# KiCad board HPM6P41_BB.kicad_pcb
title: HPM6P41_BB; date: 2025-06-18; rev: Rev3; company: Alipay
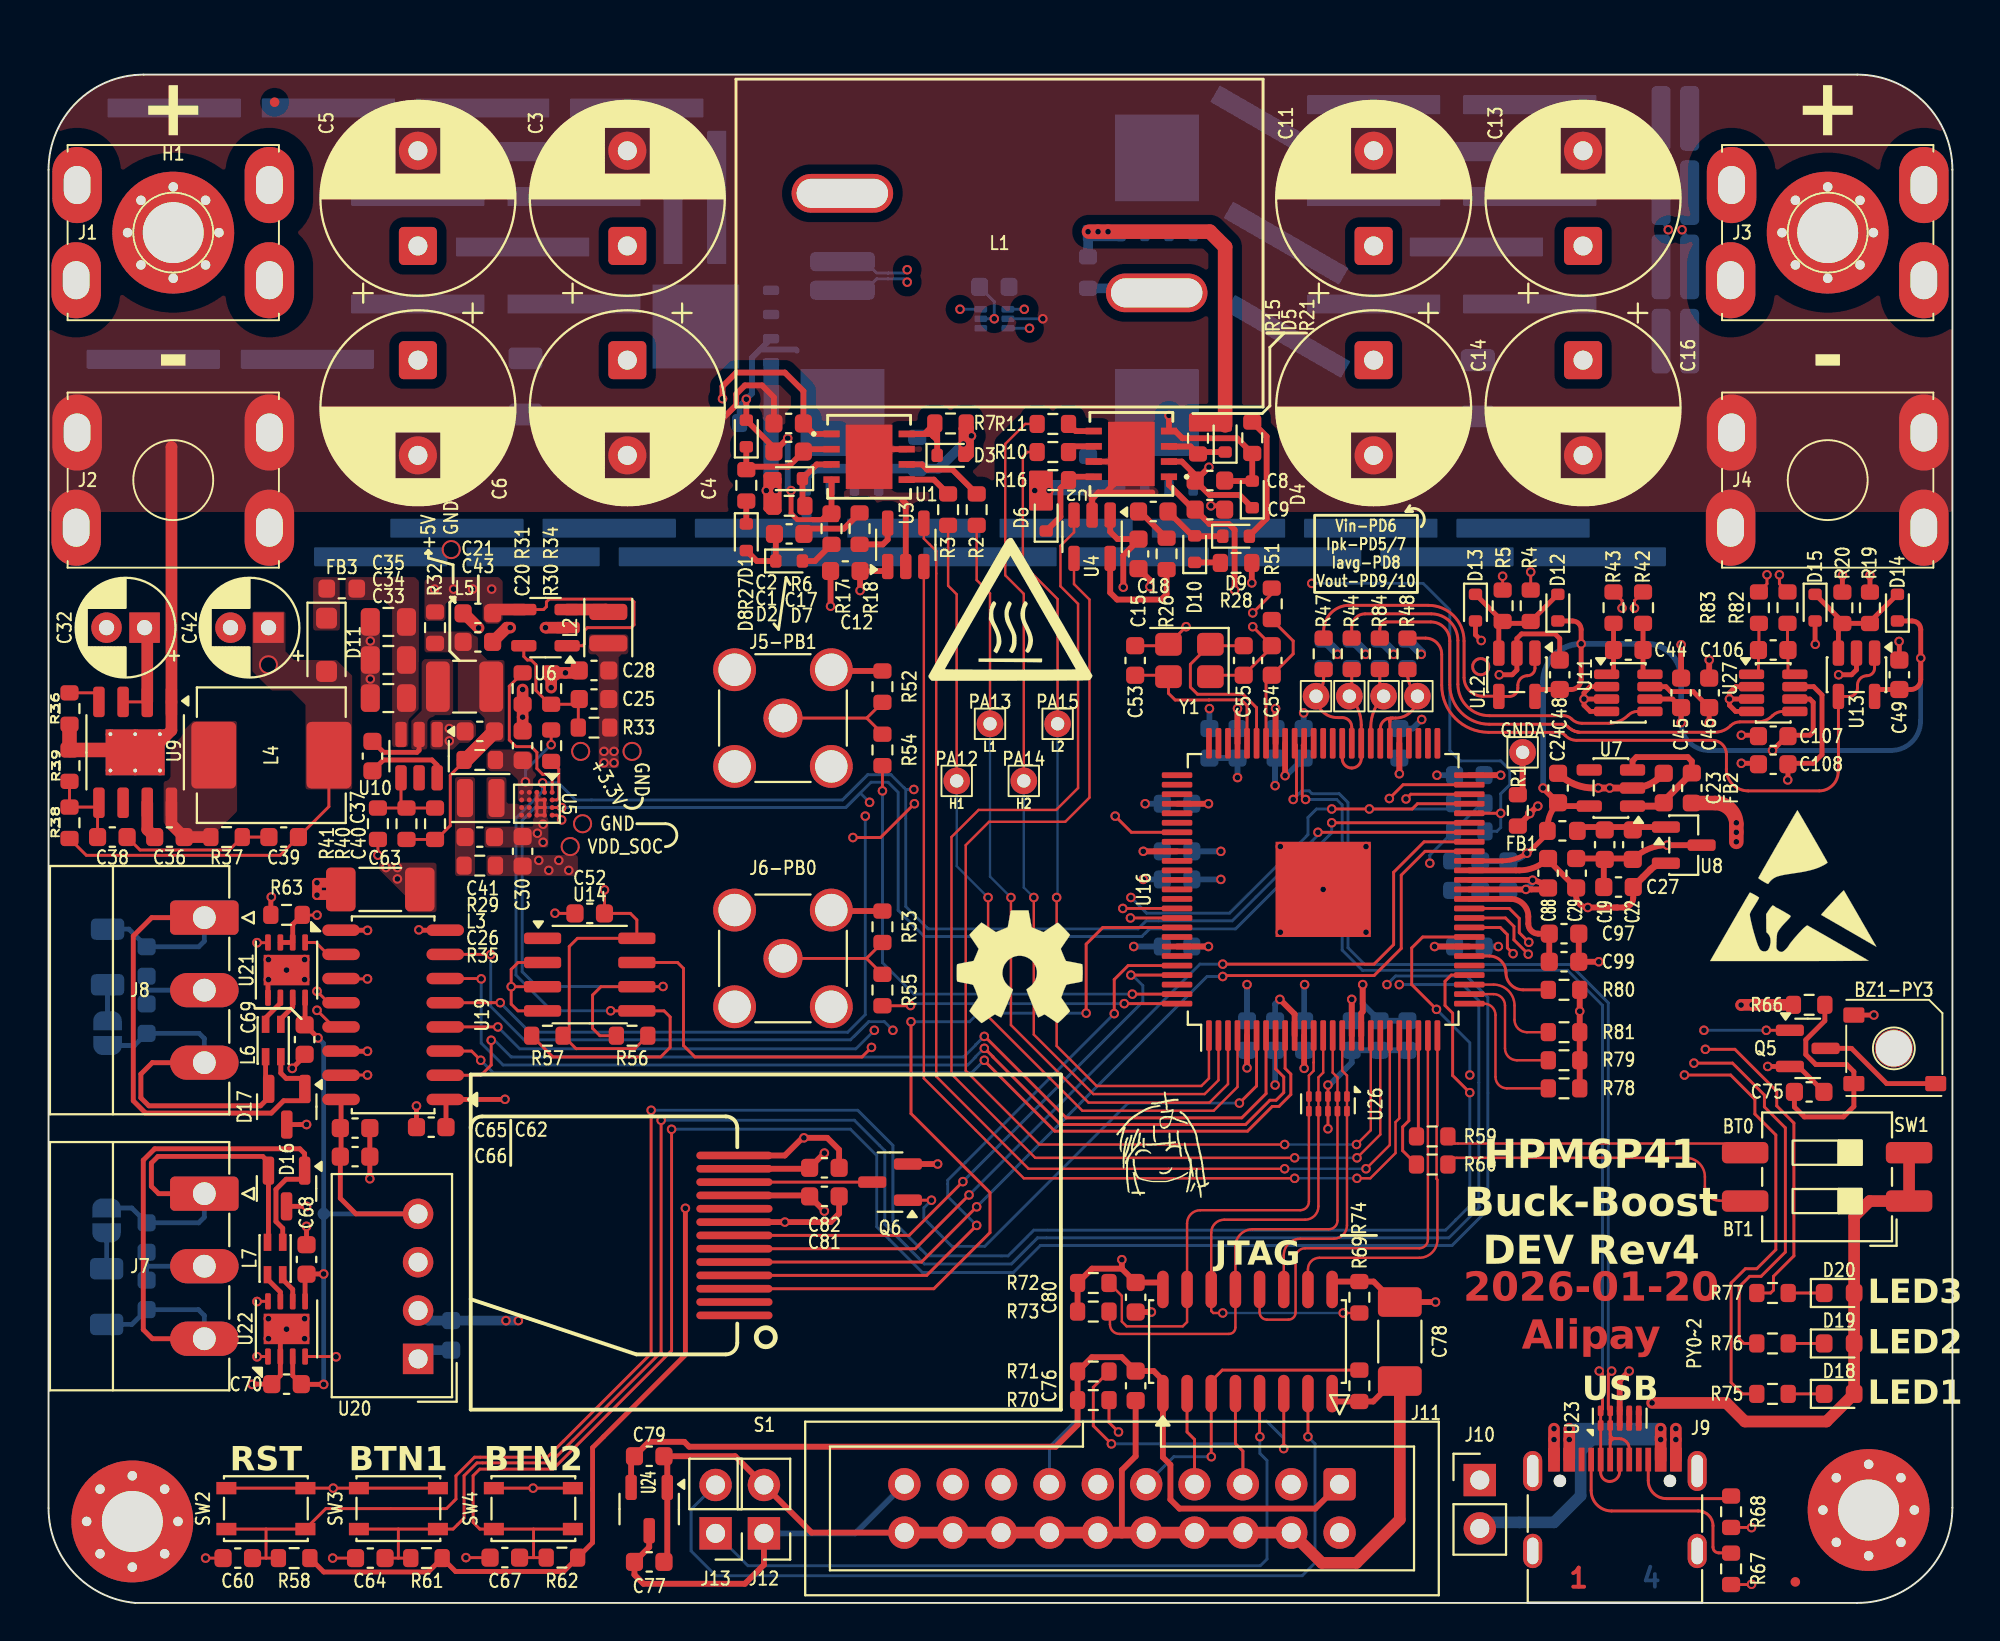
[diagram p0: board, top side]
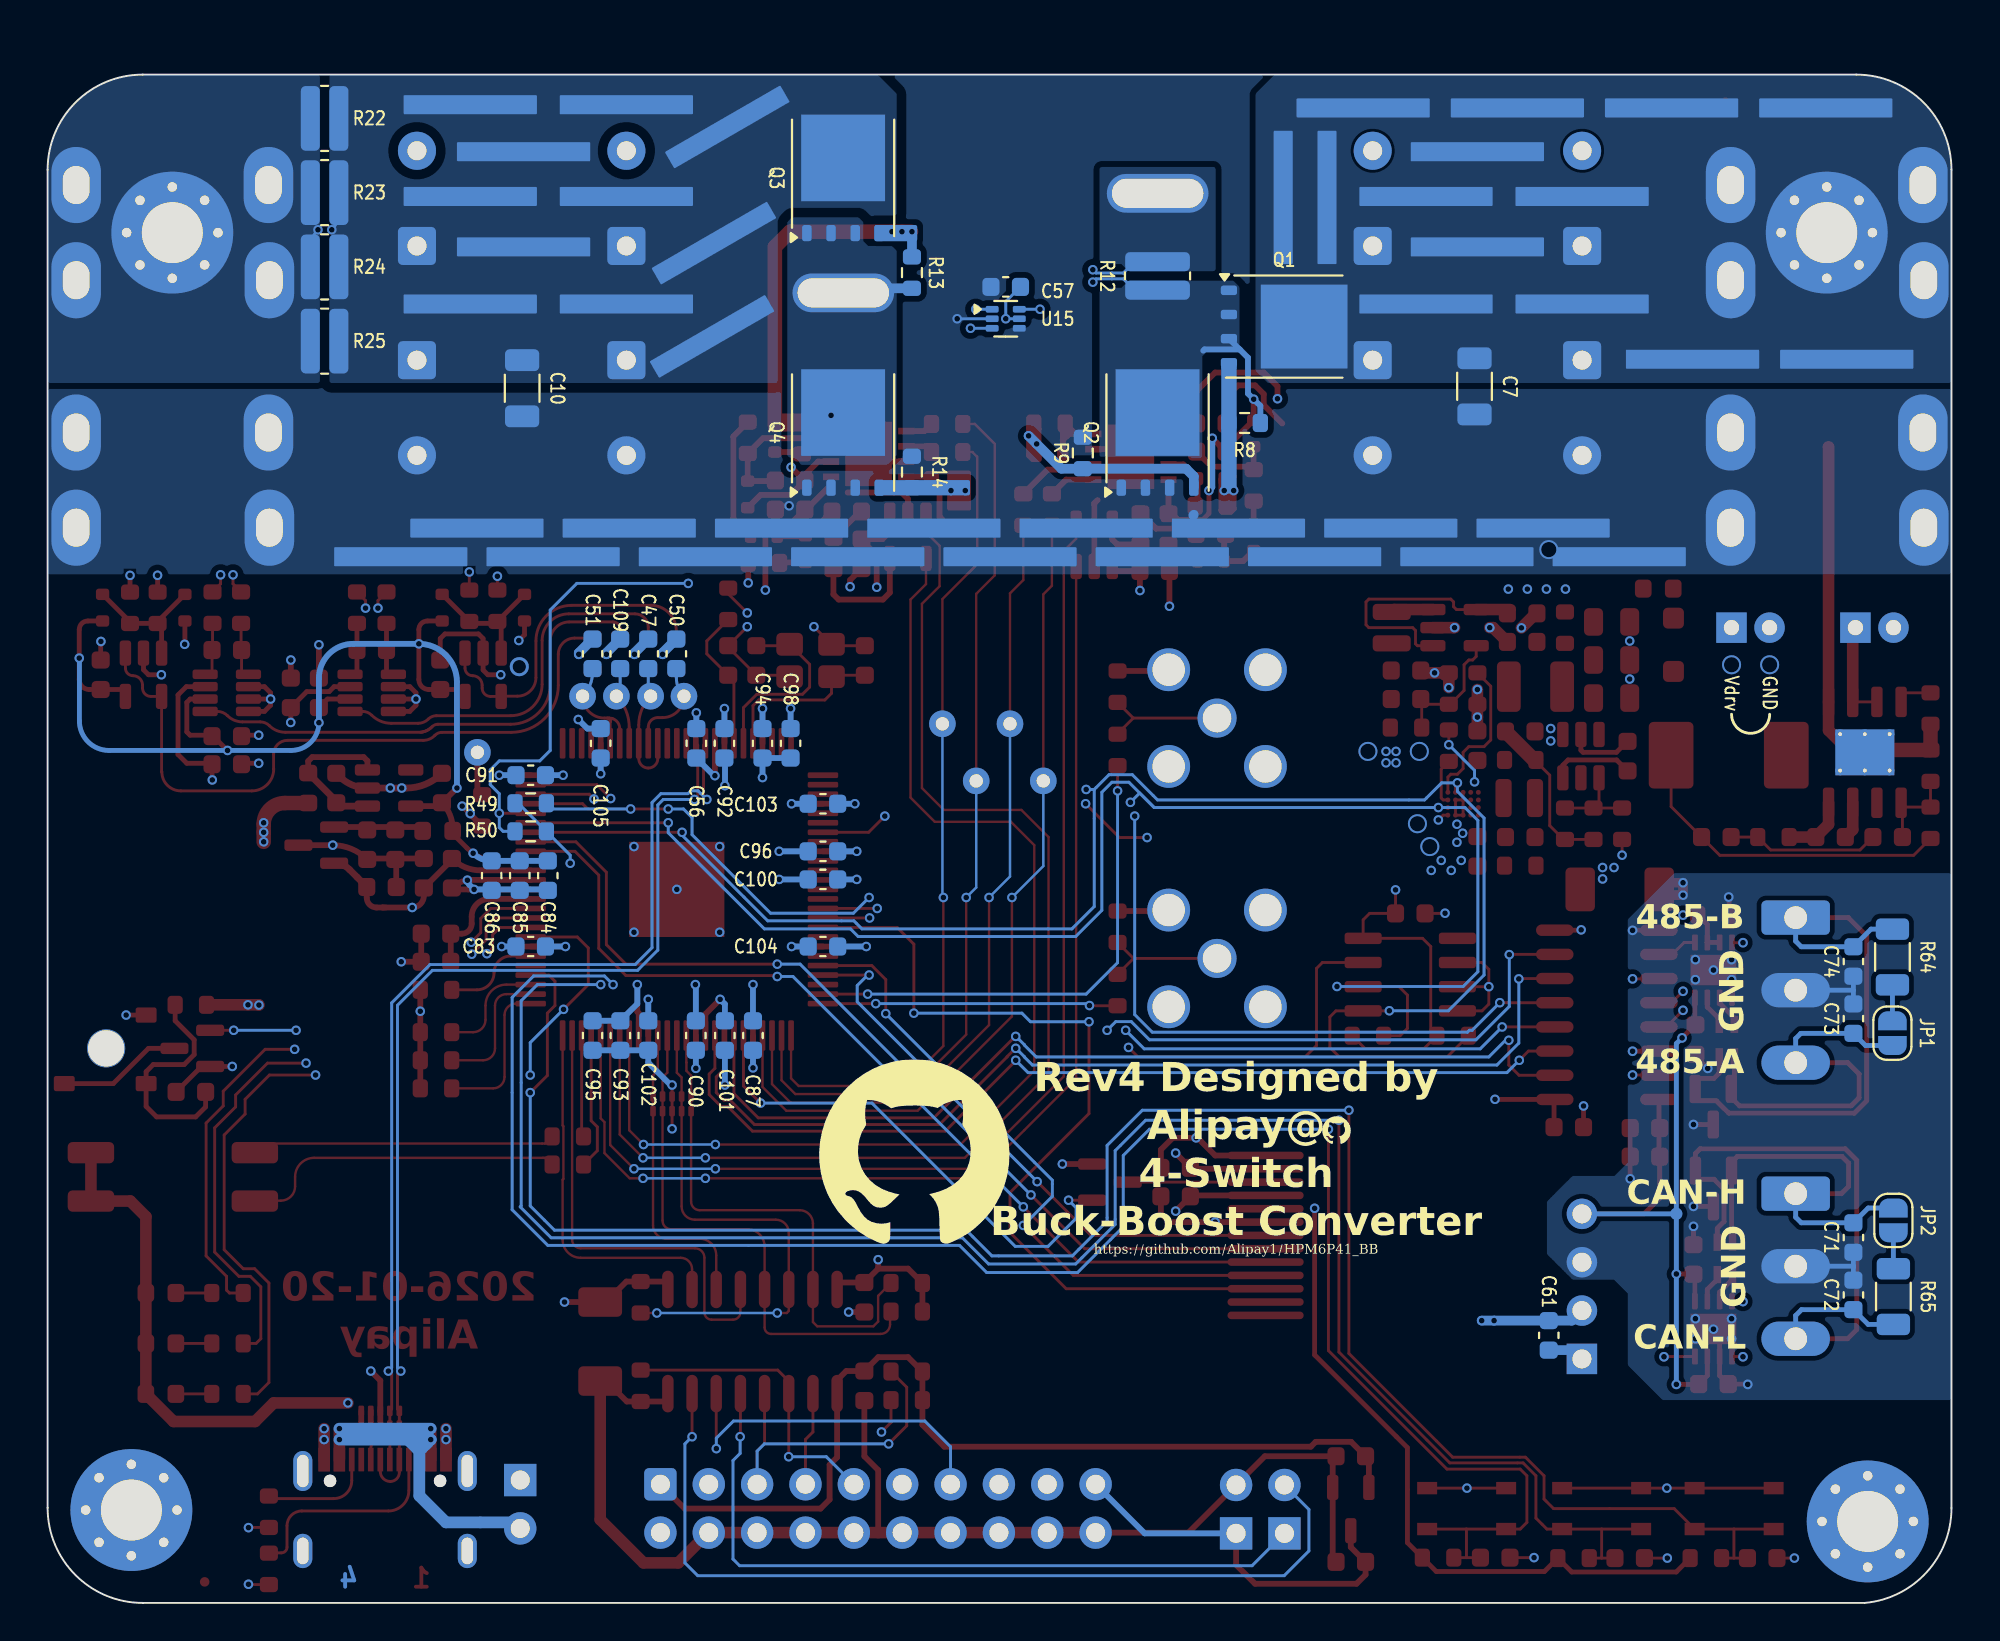
[diagram p1: board, bottom side, seen from below]

Outline 100 x 80.28 mm; copper layers: Top, In1.Cu, In2.Cu, Bottom. Coordinates in mm from the lower left corner of the outline.
Outline path: 0,75.28 arc(1.46,78.82) 5,80.28 95,80.28 arc(98.54,78.82) 100,75.28 100,5 arc(98.54,1.46) 95,0 4.55,0 arc(1.46,1.44) 0,4.98 0,75.28
Stack: Top 0.035mm / dielectric 0.1mm FR4 er 4.5 / In1.Cu 0.035mm / dielectric 1.24mm FR4 er 4.5 / In2.Cu 0.035mm / dielectric 0.1mm FR4 er 4.5 / Bottom 0.035mm

## Placement (name value [footprint] x y rotation side)
BZ1-PY3  Buzzer_DummyPIn3  [Buzzer_5020_MetalHole]  96.93 29.13 270 top
C1  100nF,50V  [C_0603_1608Metric]  38.88 60.48 180 top
C2  100nF,50V  [C_0603_1608Metric]  38.88 61.95 180 top
C3  100V 100uF  [CP_Radial_D10.0mm_P5.00mm]  30.4 71.28 90 top
C4  100V 100uF  [CP_Radial_D10.0mm_P5.00mm]  30.4 65.28 270 top
C5  100V 100uF  [CP_Radial_D10.0mm_P5.00mm]  19.4 71.28 90 top
C6  100V 100uF  [CP_Radial_D10.0mm_P5.00mm]  19.4 65.28 270 top
C7  10uF,50V  [C_1206_3216Metric]  25.05 63.91 270 bottom
C8  100nF,50V  [C_0603_1608Metric]  61 58.95 0 top
C9  100nF,50V  [C_0603_1608Metric]  61 57.43 0 top
C10  10uF,50V  [C_1206_3216Metric]  75.08 63.8 270 bottom
C11  100V 100uF  [CP_Radial_D10.0mm_P5.00mm]  69.6 71.28 90 top
C12  4.7uF,50V  [C_0603_1608Metric]  41.85 54.2 180 top
C13  100V 100uF  [CP_Radial_D10.0mm_P5.00mm]  80.6 71.28 90 top
C14  100V 100uF  [CP_Radial_D10.0mm_P5.00mm]  69.6 65.28 270 top
C15  4.7uF,50V  [C_0603_1608Metric]  57.25 55.11 270 top
C16  100V 100uF  [CP_Radial_D10.0mm_P5.00mm]  80.6 65.28 270 top
C17  100nF,50V  [C_0603_1608Metric]  38.9 56.16 0 top
C18  100nF,50V  [C_0603_1608Metric]  58.03 57.33 180 top
C19  22uF,10V  [C_0603_1608Metric]  81.74 39.83 270 top
C20  22uF,10V  [C_0603_1608Metric]  24.9 45.03 90 top
C21  22uF,10V  [C_0603_1608Metric]  22.55 51.98 180 top
C22  100nF,50V  [C_0603_1608Metric]  83.21 39.83 270 top
C23  1uF,10V  [C_0603_1608Metric]  84.84 42.81 90 top
C24  1uF,10V  [C_0603_1608Metric]  79.29 42.81 90 top
C25  22pF  [C_0603_1608Metric]  28.65 47.48 180 top
C26  22uF,10V  [C_0603_1608Metric]  22.65 40.23 0 top
C27  4.7uF,10V  [C_0603_1608Metric]  82.46 37.61 180 top
C28  22uF,10V  [C_0603_1608Metric]  28.65 48.98 180 top
C29  100nF,50V  [C_0603_1608Metric]  80.24 38.33 90 top
C30  22uF,10V  [C_0603_1608Metric]  24.9 39.48 90 top
C32  100V 2.2uF  [CP_Radial_D5.0mm_P2.00mm]  5.04 51.23 180 top
C33  10uF,25V  [C_0805_2012Metric]  17.85 47.53 180 top
C34  10uF,25V  [C_0805_2012Metric]  17.85 49.53 180 top
C35  10uF,25V  [C_0805_2012Metric]  17.85 51.53 180 top
C36  2.2nF 50V  [C_0603_1608Metric]  6.35 40.23 180 top
C37  100nF,50V  [C_0603_1608Metric]  17.01 44.48 90 top
C38  47pF,50V  [C_0603_1608Metric]  3.35 40.23 180 top
C39  1.2nF,50V  [C_0603_1608Metric]  12.35 40.23 180 top
C40  75pF  [R_0603_1608Metric]  20.3 40.93 90 top
C41  22uF,10V  [C_0603_1608Metric]  22.65 45.78 180 top
C42  16V 47uF ±20%  [CP_Radial_D5.0mm_P2.00mm]  11.56 51.23 180 top
C43  22uF,10V  [C_0603_1608Metric]  22.55 50.48 0 top
C44  47pF,50V  [C_0603_1608Metric]  82.97 50.06 180 top
C45  100nF,50V  [C_0603_1608Metric]  85.75 47.81 90 top
C46  100nF,50V  [C_0603_1608Metric]  87.22 47.81 90 top
C47  47pF,50V  [C_0603_1608Metric]  68.45 49.86 90 bottom
C48  100nF,50V  [C_0603_1608Metric]  79.38 48.75 90 top
C49  100nF,50V  [C_0603_1608Metric]  97.21 48.75 90 top
C50  47pF,50V  [C_0603_1608Metric]  66.97 49.86 90 bottom
C51  47pF,50V  [C_0603_1608Metric]  71.38 49.86 90 bottom
C52  100nF,50V  [C_0603_1608Metric]  28.43 36.22 0 top
C53  6pF  [C_0603_1608Metric]  57.08 49.5 90 top
C54  100nF,50V  [C_0603_1608Metric]  64.25 49.5 90 top
C55  6pF  [C_0603_1608Metric]  62.78 49.5 270 top
C56  100nF,50V  [C_0603_1608Metric]  65.93 45.16 90 bottom
C57  100nF,50V  [C_0603_1608Metric]  49.68 69.13 180 bottom
C60  100nF,50V  [C_0603_1608Metric]  9.94 2.36 0 top
C61  4.7uF,10V  [C_0603_1608Metric]  21.15 14.06 270 bottom
C62  100nF,50V  [C_0603_1608Metric]  20.1 24.99 0 top
C63  SCC1808X102K502TS  [C_1808_4520Metric]  17.43 37.48 0 top
C64  100nF,50V  [C_0603_1608Metric]  16.9 2.36 0 top
C65  100nF,50V  [C_0603_1608Metric]  16.1 24.94 180 top
C66  4.7uF,10V  [C_0603_1608Metric]  16.1 23.44 0 top
C67  100nF,50V  [C_0603_1608Metric]  23.97 2.38 0 top
C68  100nF,50V  [C_0603_1608Metric]  13.55 18.04 270 top
C69  100nF,50V  [C_0603_1608Metric]  13.45 29.59 90 top
C70  100nF,50V  [C_0603_1608Metric]  12.5 11.49 0 top
C71  47pF,50V  [C_0603_1608Metric]  5.15 19.19 90 bottom
C72  47pF,50V  [C_0603_1608Metric]  5.15 16.18 90 bottom
C73  47pF,50V  [C_0603_1608Metric]  5.15 30.69 270 bottom
C74  47pF,50V  [C_0603_1608Metric]  5.15 33.69 270 bottom
C75  1uF  [C_0603_1608Metric]  92.47 26.84 0 top
C76  100nF,50V  [C_0603_1608Metric]  57.1 11.41 90 top
C77  1uF,10V  [C_0603_1608Metric]  31.55 2.16 0 top
C78  SCC1808X102K502TS  [C_1808_4520Metric]  70.97 13.73 270 top
C79  1uF,10V  [C_0603_1608Metric]  31.55 7.7 0 top
C80  100nF,50V  [C_0603_1608Metric]  57.1 16.06 90 top
C81  100nF,50V  [C_0603_1608Metric]  40.75 21.36 0 top
C82  100nF,50V  [C_0603_1608Metric]  40.75 22.86 0 top
C83  100nF,50V  [C_0603_1608Metric]  74.62 34.48 0 bottom
C84  22uF,10V  [C_0603_1608Metric]  73.72 38.2 270 bottom
C85  4.7uF,10V  [C_0603_1608Metric]  75.2 38.2 270 bottom
C86  100nF,50V  [C_0603_1608Metric]  76.68 38.2 270 bottom
C87  100nF,10V  [C_0603_1608Metric]  62.95 29.81 90 bottom
C88  10nF,10V  [C_0603_1608Metric]  78.76 38.33 270 top
C90  100nF,10V  [C_0603_1608Metric]  65.95 29.81 90 bottom
C91  100nF,10V  [C_0603_1608Metric]  74.62 43.48 180 bottom
C92  100nF,10V  [C_0603_1608Metric]  64.45 45.16 270 bottom
C93  4.7uF,10V  [C_0603_1608Metric]  69.91 29.81 270 bottom
C94  100nF,10V  [C_0603_1608Metric]  62.45 45.16 270 bottom
C95  100nF,50V  [C_0603_1608Metric]  71.38 29.81 270 bottom
C96  100nF,10V  [C_0603_1608Metric]  59.28 39.48 0 bottom
C97  4.7uF,10V  [C_0603_1608Metric]  79.6 35.16 0 top
C98  22uF,10V  [C_0603_1608Metric]  60.97 45.16 270 bottom
C99  100nF,50V  [C_0603_1608Metric]  79.6 33.68 0 top
C100  22uF,10V  [C_0603_1608Metric]  59.28 38 0 bottom
C101  100nF,50V  [C_0603_1608Metric]  64.43 29.81 270 bottom
C102  100nF,50V  [C_0603_1608Metric]  68.45 29.81 270 bottom
C103  100nF,50V  [C_0603_1608Metric]  59.28 41.98 180 bottom
C104  100nF,50V  [C_0603_1608Metric]  59.28 34.48 180 bottom
C105  100nF,50V  [C_0603_1608Metric]  70.95 45.16 90 bottom
C106  47pF,50V  [C_0603_1608Metric]  90.59 50.06 180 top
C107  100nF,50V  [C_0603_1608Metric]  90.59 45.53 180 top
C108  100nF,50V  [C_0603_1608Metric]  90.59 44.06 180 top
C109  47pF,50V  [C_0603_1608Metric]  69.93 49.86 90 bottom
D1  LM5Z12VT1G  [D_SOD-523]  36.65 61.43 90 top
D2  1N4148WS  [D_SOD-523]  38.9 59.05 180 top
D3  1N4148WS  [D_SOD-523]  47.38 60.28 0 top
D4  LM5Z12VT1G  [D_SOD-523]  63.22 58.23 90 top
D5  1N4148WS  [D_SOD-523]  61.8 61.16 90 top
D6  1N4148WS  [D_SOD-523]  52.4 57.01 90 top
D7  1N4148WS  [D_SOD-523]  38.9 54.73 0 top
D8  1N4148WS  [D_SOD-523]  36.65 55.98 270 top
D9  1N4148WS  [D_SOD-523]  62.38 56.03 0 top
D10  1N4148WS  [D_SOD-523]  60.2 55.36 90 top
D11  DSS34  [D_SOD-123F]  14.6 50.33 270 top
D12  1N4148WS  [D_SOD-523]  79.28 52.28 90 top
D13  1N4148WS  [D_SOD-523]  74.95 52.28 270 top
D14  1N4148WS  [D_SOD-523]  97.11 52.28 90 top
D15  1N4148WS  [D_SOD-523]  92.79 52.28 270 top
D16  NUP2105L  [SOT-23]  12.5 21.77 270 top
D17  NUP2105L  [SOT-23]  12.51 26.07 270 top
D18  LED  [LED_0603_1608Metric]  94.05 10.98 0 top
D19  LED  [LED_0603_1608Metric]  94.05 13.63 0 top
D20  LED  [LED_0603_1608Metric]  94.05 16.28 0 top
FB1  100Ω@100MHz 2A  [L_0603_1608Metric]  79.51 40.56 0 top
FB2  100Ω@100MHz 2A  [L_0603_1608Metric]  86.31 42.81 90 top
FB3  100Ω@100MHz 2A  [L_0603_1608Metric]  15.4 53.28 0 top
FID1  Fiducial  [Fiducial_0.5mm_Mask1mm]  11.88 78.83 0 top
FID2  Fiducial  [Fiducial_0.5mm_Mask1mm]  91.75 1.11 0 top
G***  -  [LOGO]  58.28 23.86 0 top
G***#2  -  [LOGO]  50.5 52 0 top
G***#3  -  [LOGO]  54.47 23.66 180 bottom
G***#4  -  [LOGO]  32.3 24.83 180 bottom
GNDA  TestPoint_Probe  [测试点]  77.43 44.68 0 top
H1  MountingHole_Pad  [MountingHole_3.2mm_M3_Pad_Via]  6.55 71.98 0 top
H2  MountingHole_Pad  [MountingHole_3.2mm_M3_Pad_Via]  93.45 71.98 0 top
H3  MountingHole_Pad  [MountingHole_3.2mm_M3_Pad_Via]  4.4 4.28 0 top
H4  MountingHole_Pad  [MountingHole_3.2mm_M3_Pad_Via]  95.6 4.88 0 top
J1  Conn_01x01  [48A_Connector_PCB_3]  6.55 71.98 270 top
J2  Conn_01x01  [48A_Connector_PCB_3]  6.55 58.98 270 top
J3  Conn_01x01  [48A_Connector_PCB_3]  93.45 71.98 270 top
J4  Conn_01x01  [48A_Connector_PCB_3]  93.45 58.98 270 top
J5-PB1  SMA  [SMA_Amphenol_901-144_Vertical]  38.58 46.48 0 top
J6-PB0  SMA  [SMA_Amphenol_901-144_Vertical]  38.58 33.86 0 top
J7  Conn_01x03  [PhoenixContact_MC_1,5_3-G-3.81_1x03_P3.81mm_Horizontal]  8.18 21.5 270 top
J8  Conn_01x03  [PhoenixContact_MC_1,5_3-G-3.81_1x03_P3.81mm_Horizontal]  8.18 36 270 top
J9  USB_C_Receptacle_USB2.0_16P  [USB_C_16P_On_Board]  82.28 3.81 0 top
J10  排针  [PinHeader_1x02_P2.54mm_Vertical]  75.18 6.45 0 top
J11  Conn_ARM_JTAG_SWD_20  [IDC-Header_2x10_P2.54mm_Vertical]  67.81 6.23 270 top
J12  排针  [PinHeader_1x02_P2.54mm_Vertical]  37.58 3.66 180 top
J13  排针  [PinHeader_1x02_P2.54mm_Vertical]  35.04 3.66 180 top
JP1  SolderJumper_2_Open  [SolderJumper-2_P1.3mm_Open_RoundedPad1.0x1.5mm]  3.1 29.93 90 bottom
JP2  SolderJumper_2_Open  [SolderJumper-2_P1.3mm_Open_RoundedPad1.0x1.5mm]  3.05 20.09 270 bottom
L1  VER2923  [IND_VER2923_COC]  49.95 71.43 0 top
L2  2.2uH  [L_Changjiang_FNR252012S]  29.4 51.23 90 top
L3  0.47uH  [L_Changjiang_FNR252012S]  22.7 42.28 0 top
L4  68uH,1.7A,3A  [L_Chilisin_BMRB00060650]  11.7 44.53 0 top
L5  4.7uH,1.6A  [L_1210_3225Metric]  21.85 48.13 0 top
L6  ACT45B-510-2P-TL003  [SDCW2012-2-900TF]  11.8 29.54 270 top
L7  ACT45B-510-2P-TL003  [SDCW2012-2-900TF]  11.9 18.09 90 top
PA12  TestPoint_Probe  [测试点]  47.7 43.18 0 top
PA13  TestPoint_Probe  [测试点]  49.45 46.18 0 top
PA14  TestPoint_Probe  [测试点]  51.23 43.18 0 top
PA15  TestPoint_Probe  [测试点]  53 46.18 0 top
Q1  HYG080N10LS1C2  [TDSON-8-1]  35.05 67.05 180 bottom
Q2  HYG080N10LS1C2  [TDSON-8-1]  41.7 61.48 90 bottom
Q3  HYG080N10LS1C2  [TDSON-8-1]  58.22 74.86 90 bottom
Q4  HYG080N10LS1C2  [TDSON-8-1]  58.22 61.48 90 bottom
Q5  AO3400A  [SOT-23]  92.4 29.13 0 top
Q6  AO3400A  [SOT-23]  44.2 22.11 180 top
R1  0Ω  [R_0603_1608Metric]  77.18 41.63 270 top
R2  33Ω  [R_0603_1608Metric]  48.75 57.43 270 top
R3  33Ω  [R_0603_1608Metric]  47.25 57.43 270 top
R4  120kΩ  [R_0603_1608Metric]  76.38 52.38 270 top
R5  5.1kΩ  [R_0603_1608Metric]  77.85 52.38 90 top
R6  10Ω  [R_0603_1608Metric]  38.9 57.63 180 top
R7  10Ω  [R_0603_1608Metric]  47.38 61.95 0 top
R8  10kΩ  [R_0603_1608Metric]  37.12 61.98 0 bottom
R9  10kΩ  [R_0603_1608Metric]  45.62 60.41 270 bottom
R10  33Ω  [R_0603_1608Metric]  52.75 60.45 180 top
R11  33Ω  [R_0603_1608Metric]  52.75 61.93 180 top
R12  1mΩ 1W  [R_0612_1632Metric]  41.7 69.7 90 bottom
R13  10kΩ  [R_0603_1608Metric]  54.6 69.88 90 bottom
R14  10kΩ  [R_0603_1608Metric]  54.6 59.41 270 bottom
R15  10Ω  [R_0603_1608Metric]  60.38 61.18 90 top
R16  10Ω  [R_0603_1608Metric]  52.75 58.98 180 top
R17  100Ω  [R_0603_1608Metric]  41.12 56.43 90 top
R18  100Ω  [R_0603_1608Metric]  42.6 56.43 270 top
R19  120kΩ  [R_0603_1608Metric]  94.22 52.27 270 top
R20  5.1kΩ  [R_0603_1608Metric]  95.67 52.27 90 top
R21  100Ω  [R_0603_1608Metric]  63.22 61.2 270 top
R22  1mΩ 1W  [R_0612_1632Metric]  85.45 77.98 0 bottom
R23  1mΩ 1W  [R_0612_1632Metric]  85.45 74.08 0 bottom
R24  1mΩ 1W  [R_0612_1632Metric]  85.45 70.18 0 bottom
R25  1mΩ 1W  [R_0612_1632Metric]  85.45 66.28 0 bottom
R26  100Ω  [R_0603_1608Metric]  58.72 55.11 270 top
R27  1kΩ  [R_0603_1608Metric]  36.65 58.7 270 top
R28  1kΩ  [R_0603_1608Metric]  62.38 54.63 180 top
R29  0Ω  [R_0603_1608Metric]  22.65 44.28 0 top
R30  1kΩ  [R_0603_1608Metric]  26.4 45.03 270 top
R31  1kΩ  [R_0603_1608Metric]  24.9 48.03 90 top
R32  0Ω  [R_0603_1608Metric]  20.3 51.23 90 top
R33  68k  [R_0603_1608Metric]  28.65 45.98 180 top
R34  15k  [R_0603_1608Metric]  26.4 48.03 90 top
R35  0Ω  [R_0603_1608Metric]  22.65 38.73 0 top
R36  76.8k  [R_0603_1608Metric]  1.1 46.98 90 top
R37  357k  [R_0603_1608Metric]  9.35 40.23 0 top
R38  453k  [R_0603_1608Metric]  1.1 40.98 270 top
R39  50k  [R_0603_1608Metric]  1.1 43.98 270 top
R40  100k  [R_0603_1608Metric]  18.8 40.93 90 top
R41  13.3k  [R_0603_1608Metric]  17.3 40.93 270 top
R42  100Ω  [R_0603_1608Metric]  83.75 52.28 270 top
R43  100Ω  [R_0603_1608Metric]  82.2 52.28 270 top
R44  33Ω  [R_0603_1608Metric]  68.45 49.86 270 top
R47  33Ω  [R_0603_1608Metric]  66.97 49.86 270 top
R48  33Ω  [R_0603_1608Metric]  71.38 49.86 270 top
R49  5.1kΩ  [R_0603_1608Metric]  74.62 42 0 bottom
R50  5.1kΩ  [R_0603_1608Metric]  74.62 40.53 180 bottom
R51  10Ω  [R_0603_1608Metric]  64.25 52.48 90 top
R52  50Ω  [R_0603_1608Metric]  43.8 48.13 270 top
R53  50Ω  [R_0603_1608Metric]  43.8 35.52 270 top
R54  50Ω  [R_0603_1608Metric]  43.8 44.81 270 top
R55  50Ω  [R_0603_1608Metric]  43.8 32.19 270 top
R56  2kΩ  [R_0603_1608Metric]  30.65 29.8 0 top
R57  2kΩ  [R_0603_1608Metric]  26.2 29.8 0 top
R58  5.1k  [R_0603_1608Metric]  12.9 2.36 180 top
R59  1kΩ  [R_0603_1608Metric]  72.68 24.5 180 top
R60  1kΩ  [R_0603_1608Metric]  72.68 23.03 180 top
R61  5.1k  [R_0603_1608Metric]  19.85 2.36 180 top
R62  5.1k  [R_0603_1608Metric]  26.97 2.38 180 top
R63  10kΩ  [R_0603_1608Metric]  12.5 36.14 0 top
R64  120Ω  [R_1206_3216Metric]  3.1 33.93 270 bottom
R65  120Ω  [R_1206_3216Metric]  3.05 16.09 90 bottom
R66  0Ω  [R_0603_1608Metric]  92.47 31.42 0 top
R67  5.1kΩ  [R_0603_1608Metric]  88.38 1.79 270 top
R68  5.1kΩ  [R_0603_1608Metric]  88.38 4.79 270 top
R69  10K  [R_0603_1608Metric]  68.85 11.41 90 top
R70  10K  [R_0603_1608Metric]  54.88 10.66 0 top
R71  10K  [R_0603_1608Metric]  54.88 12.16 0 top
R72  10K  [R_0603_1608Metric]  54.88 16.81 0 top
R73  10K  [R_0603_1608Metric]  54.88 15.31 0 top
R74  10K  [R_0603_1608Metric]  68.85 16.06 270 top
R75  10k  [R_0603_1608Metric]  90.55 10.98 0 top
R76  10k  [R_0603_1608Metric]  90.55 13.63 0 top
R77  10k  [R_0603_1608Metric]  90.55 16.28 0 top
R78  10K  [R_0603_1608Metric]  79.6 27.03 0 top
R79  10K  [R_0603_1608Metric]  79.6 28.5 0 top
R80  10K  [R_0603_1608Metric]  79.6 32.2 0 top
R81  10K  [R_0603_1608Metric]  79.6 29.98 0 top
R82  100Ω  [R_0603_1608Metric]  91.34 52.28 270 top
R83  100Ω  [R_0603_1608Metric]  89.84 52.28 270 top
R84  33Ω  [R_0603_1608Metric]  69.93 49.86 270 top
REF**  -  [LayerMarker_4_6.35x2.54mm_TextH1mm_P1.27mm]  80.37 0.03 0 top
REF**#2  -  [OSHW-Symbol_6.7x6mm_SilkScreen]  51 33.41 0 top
REF**#3  -  [ESD-Logo_8.9x8mm_SilkScreen]  91.65 37.7 0 top
REF**#4  -  [7x1mm_导流条]  14.7 78.53 180 bottom
REF**#5  -  [7x1mm_导流条]  25.45 54.95 180 bottom
REF**#6  -  [7x1mm_导流条]  5.5 65.33 180 bottom
REF**#7  -  [7x1mm_导流条]  27.6 68.23 180 bottom
REF**#8  -  [7x1mm_导流条]  24.9 76.23 180 bottom
REF**#9  -  [7x1mm_导流条]  77.8 68.23 180 bottom
REF**#10  -  [7x1mm_导流条]  13.6 65.33 180 bottom
REF**#11  -  [7x1mm_导流条]  27.6 73.88 180 bottom
REF**#12  -  [7x1mm_导流条]  81.45 54.95 180 bottom
REF**#13  -  [7x1mm_导流条]  75 76.23 180 bottom
REF**#14  -  [7x1mm_导流条]  57.45 54.95 180 bottom
REF**#15  -  [7x1mm_导流条]  69.6 78.7 180 bottom
REF**#16  -  [7x1mm_导流条]  45.45 56.45 180 bottom
REF**#17  -  [7x1mm_导流条]  53.45 56.45 180 bottom
REF**#18  -  [7x1mm_导流条]  49.45 54.95 180 bottom
REF**#19  -  [7x1mm_导流条]  21.45 56.45 180 bottom
REF**#20  -  [7x1mm_导流条]  61.45 56.45 180 bottom
REF**#21  -  [7x1mm_导流条]  75 71.23 180 bottom
REF**#22  -  [7x1mm_导流条]  22.8 78.53 180 bottom
REF**#23  -  [7x1mm_导流条]  77.8 73.88 180 bottom
REF**#24  -  [7x1mm_导流条]  65 71.43 330 bottom
REF**#25  -  [7x1mm_导流条]  33.45 54.95 180 bottom
REF**#26  -  [7x1mm_导流条]  32.8 73.83 270 bottom
REF**#27  -  [7x1mm_导流条]  73.45 54.95 180 bottom
REF**#28  -  [7x1mm_导流条]  65.45 54.95 180 bottom
REF**#29  -  [7x1mm_导流条]  41.45 54.95 180 bottom
REF**#30  -  [7x1mm_导流条]  69.6 68.23 180 bottom
REF**#31  -  [7x1mm_导流条]  37.45 56.45 180 bottom
REF**#32  -  [7x1mm_导流条]  17.45 54.95 180 bottom
REF**#33  -  [7x1mm_导流条]  19.4 68.23 180 bottom
REF**#34  -  [7x1mm_导流条]  77.45 56.45 180 bottom
REF**#35  -  [7x1mm_导流条]  64.3 77.53 330 bottom
REF**#36  -  [7x1mm_导流条]  24.9 71.23 180 bottom
REF**#37  -  [7x1mm_导流条]  35.1 73.83 270 bottom
REF**#38  -  [7x1mm_导流条]  69.6 73.88 180 bottom
REF**#39  -  [7x1mm_导流条]  29.45 56.45 180 bottom
REF**#40  -  [7x1mm_导流条]  19.4 73.88 180 bottom
REF**#41  -  [7x1mm_导流条]  65.1 66.53 330 bottom
REF**#42  -  [7x1mm_导流条]  77.8 78.7 180 bottom
REF**#43  -  [7x1mm_导流条]  6.6 78.53 180 bottom
REF**#44  -  [7x1mm_导流条]  69.45 56.45 180 bottom
REF**#45  -  [7x1mm_导流条]  30.9 78.53 180 bottom
S1  ~  [焊接式_TFT_1.14_135X240_13PIN]  37.68 18.95 0 top
SW1  焊盘  [SW_DIP_SPSTx02_Slide_6.7x6.64mm_W8.61mm_P2.54mm_LowProfile]  93.42 22.38 180 top
SW2  Push_Button  [LCSC_SW_SPST_PTS810]  11.42 4.95 0 top
SW3  Push_Button  [LCSC_SW_SPST_PTS810]  18.38 4.95 0 top
SW4  Push_Button  [LCSC_SW_SPST_PTS810]  25.47 4.95 0 top
TP5  TestPoint_Probe  [测试点]  68.33 47.63 0 top
TP7  TestPoint_Probe  [测试点]  70.12 47.63 0 top
TP8  TestPoint_Probe  [测试点]  71.9 47.63 0 top
TP9  TestPoint_Probe  [测试点]  66.58 47.63 0 top
U1  UCC27211ADRMR  [DRM8_3P38X2P45_TEX]  43.1 60.2 0 top
U2  UCC27211ADRMR  [DRM8_3P38X2P45_TEX]  56.88 60.36 180 top
U3  UCC27517  [SOT-23-5]  45.03 55.58 90 top
U4  UCC27517  [SOT-23-5]  54.81 56.01 270 top
U5  SYR838  [SYR838PKC]  25.65 41.98 180 top
U6  SY8089  [SOT-23-5]  26.1 51.23 180 top
U7  LP5907MFX-3.3  [SOT-23-5]  82.06 42.81 180 top
U8  REF3030  [SOT-23]  85.89 39.81 0 top
U9  LM5164DDA  [HSOP-8-1EP_3.9x4.9mm_P1.27mm_EP2.41x3.1mm_ThermalVias]  4.55 44.68 270 top
U10  TPS54302  [SOT-23-6]  19.46 44.48 270 top
U11  INA241A3xDDF  [SOT-23-8]  82.97 47.81 0 top
U12  SGM8551XN  [TSOT-23-5]  77.12 48.75 270 top
U13  SGM8551XN  [TSOT-23-5]  94.96 48.75 270 top
U14  AT24C08C-SSHM-T  [SOIC-8_3.9x4.9mm_P1.27mm]  28.43 33 0 top
U15  TMP112xxDRL  [SOT-563]  49.68 67.45 180 bottom
U16  HPM6P41IPB1  [LQFP-100_14x14mm_P0.5mm_EP5.0x5.0mm]  66.95 37.48 90 top
U19  -  [CA-IS3762HN]  18.1 30.89 90 top
U20  TME-0505S  [BXXXXS-1W隔离电源]  19.41 12.82 180 top
U21  SIT3088ETK  [HVSON-8-1EP_3x3mm_P0.65mm_EP1.6x2.4mm]  12.5 33.24 270 top
U22  TJA1044GTK/3Z  [HVSON-8-1EP_3x3mm_P0.65mm_EP1.6x2.4mm]  12.5 14.39 90 top
U23  TPD4E05U06DQA  [USON-10_2.5x1.0mm_P0.5mm]  82.53 9.7 90 top
U24  XC6206PxxxMR  [SOT-23-3]  31.55 4.93 270 top
U25  -  [CA-IS3762HN]  62.97 13.73 0 top
U26  TPD4E05U06DQA  [USON-10_2.5x1.0mm_P0.5mm]  67.2 26.22 270 top
U27  INA241A3xDDF  [SOT-23-8]  90.59 47.81 0 top
Y1  24MHz ±10ppm 6pF  [Crystal_SMD_3225-4Pin_3.2x2.5mm]  59.93 49.5 180 top
